# KiCad board storre.kicad_pcb
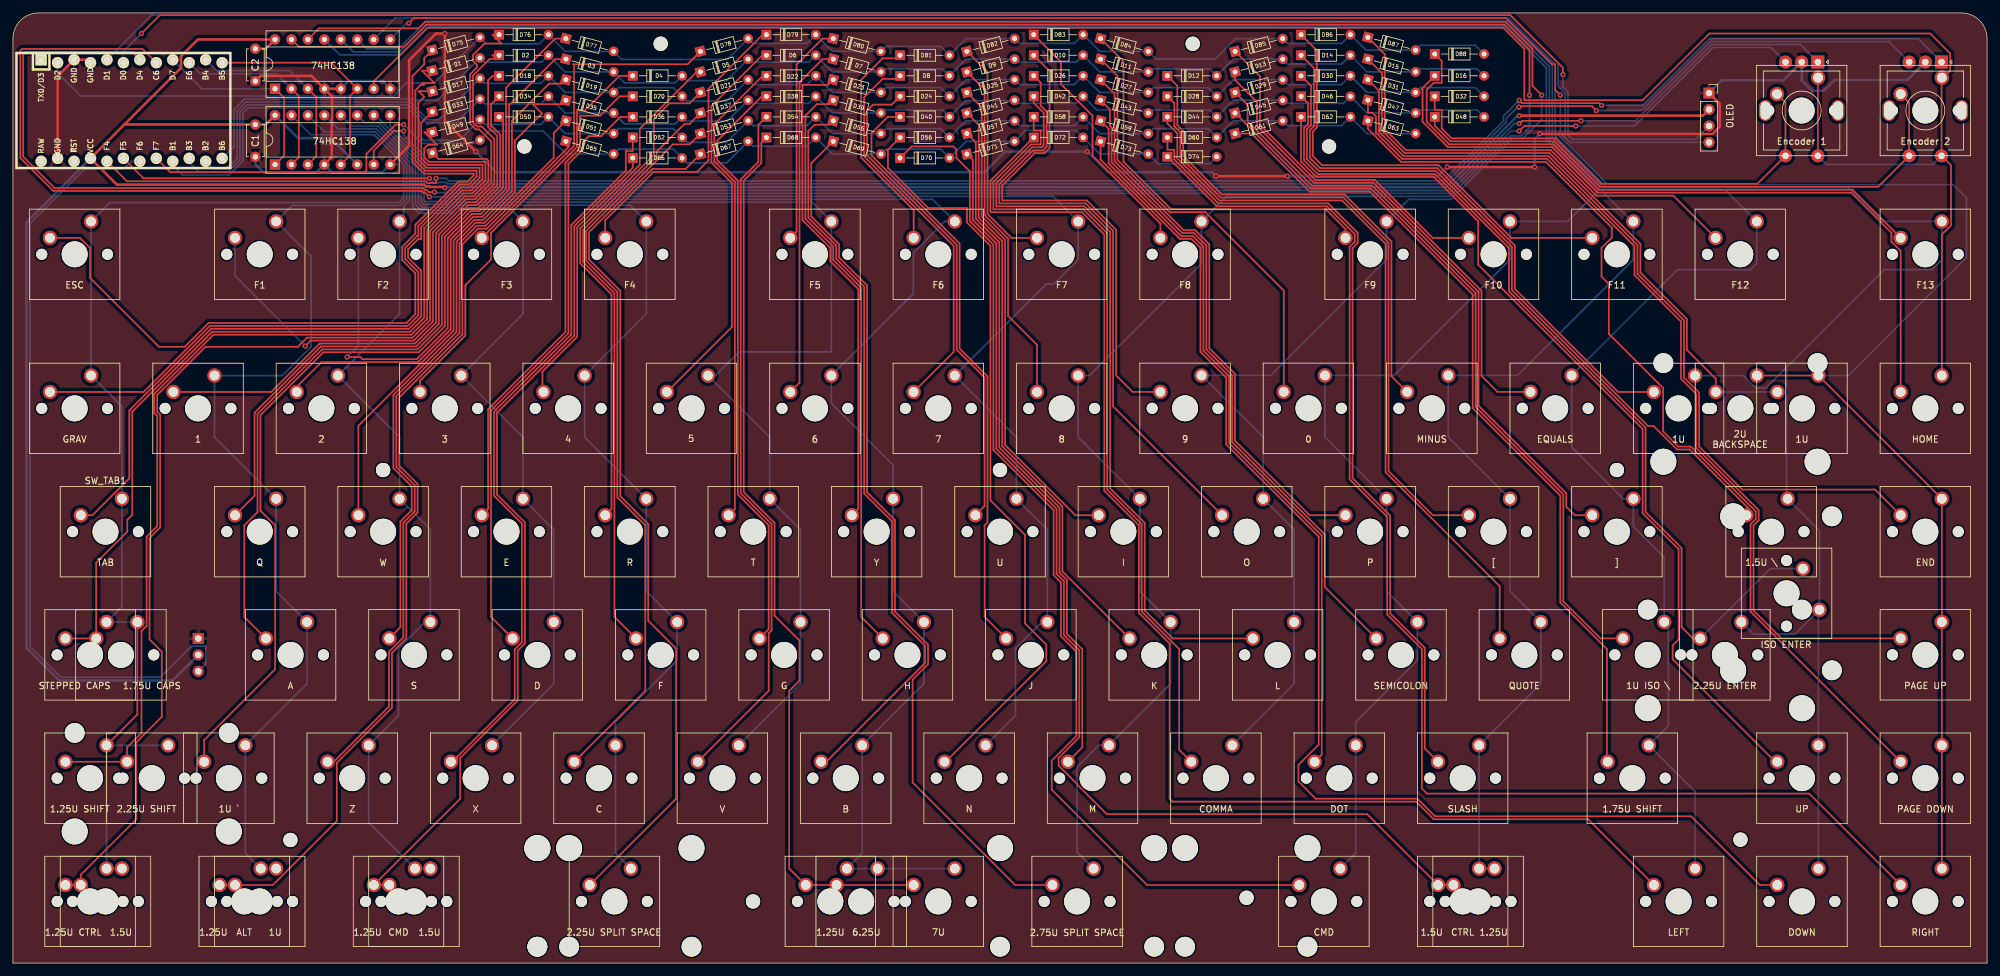
[diagram p0: board, top side]
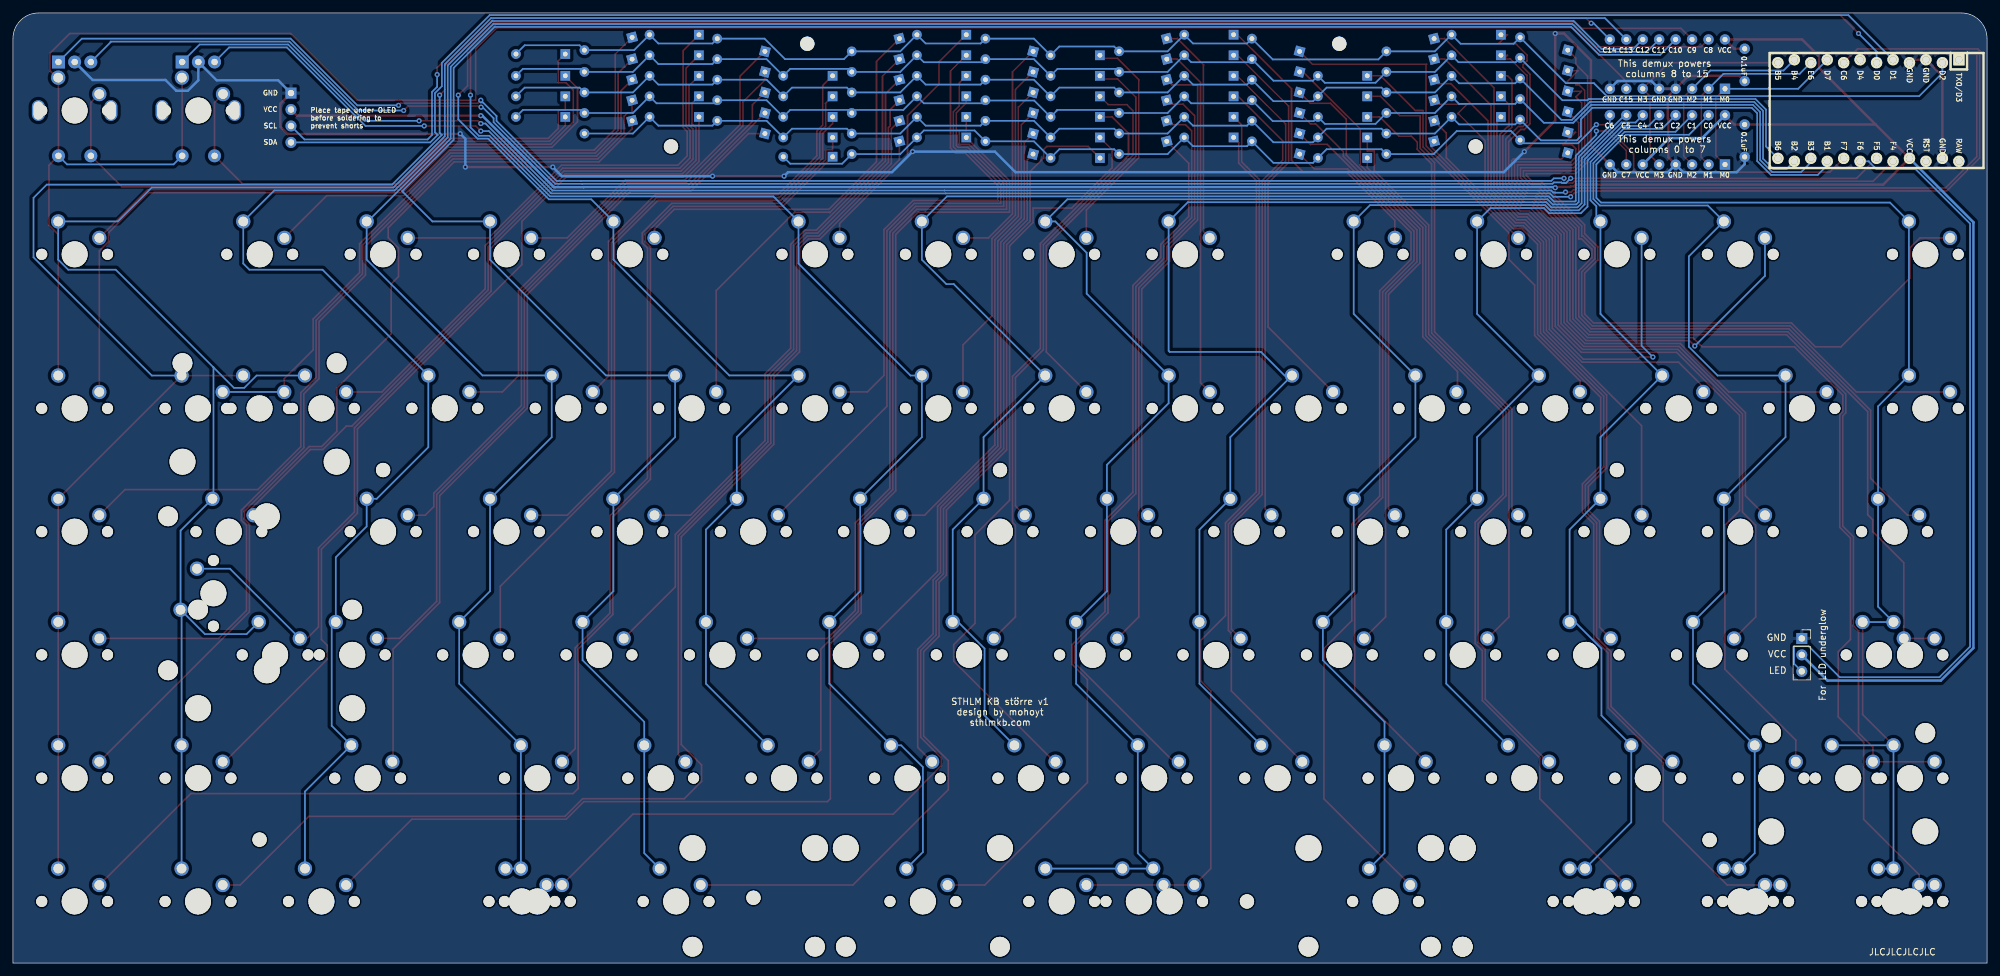
[diagram p1: board, bottom side, seen from below]

Outline 304.8 x 146.84 mm; copper layers: Top, Bottom. Coordinates in mm from the lower left corner of the outline.
Outline path: 0,142.88 0,0 304.8,0 304.8,142.88 arc(303.64,145.68) 300.83,146.84 3.99,146.84 arc(1.17,145.69) 0,142.88
Stack: Top 0.035mm / dielectric 1.51mm FR4 er 4.5 / Bottom 0.035mm

## Placement (name value [footprint] x y rotation side)
C1  0.1uF  [C_Disc_D4.7mm_W2.5mm_P5.00mm]  37.42 129.6 270 top
C2  0.1uF  [C_Disc_D4.7mm_W2.5mm_P5.00mm]  37.42 141.31 270 top
D1  D_Small  [D_DO-34_SOD68_P7.62mm_Horizontal]  64.74 137.92 15 top
D2  D_Small  [D_DO-34_SOD68_P7.62mm_Horizontal]  75.06 140.3 0 top
D3  D_Small  [D_DO-34_SOD68_P7.62mm_Horizontal]  85.38 139.7 345 top
D4  D_Small  [D_DO-34_SOD68_P7.62mm_Horizontal]  95.7 137.13 0 top
D5  D_Small  [D_DO-34_SOD68_P7.62mm_Horizontal]  106.15 137.73 15 top
D6  D_Small  [D_DO-34_SOD68_P7.62mm_Horizontal]  116.33 140.3 0 top
D7  D_Small  [D_DO-34_SOD68_P7.62mm_Horizontal]  126.65 139.7 345 top
D8  D_Small  [D_DO-34_SOD68_P7.62mm_Horizontal]  136.97 137.13 0 top
D9  D_Small  [D_DO-34_SOD68_P7.62mm_Horizontal]  147.29 137.73 15 top
D10  D_Small  [D_DO-34_SOD68_P7.62mm_Horizontal]  157.61 140.3 0 top
D11  D_Small  [D_DO-34_SOD68_P7.62mm_Horizontal]  167.93 139.7 345 top
D12  D_Small  [D_DO-34_SOD68_P7.62mm_Horizontal]  178.25 137.13 0 top
D13  D_Small  [D_DO-34_SOD68_P7.62mm_Horizontal]  188.7 137.73 15 top
D14  D_Small  [D_DO-34_SOD68_P7.62mm_Horizontal]  198.88 140.3 0 top
D15  D_Small  [D_DO-34_SOD68_P7.62mm_Horizontal]  209.2 139.7 345 top
D16  D_Small  [D_DO-34_SOD68_P7.62mm_Horizontal]  219.52 137.13 0 top
D17  D_Small  [D_DO-34_SOD68_P7.62mm_Horizontal]  64.74 134.75 15 top
D18  D_Small  [D_DO-34_SOD68_P7.62mm_Horizontal]  75.06 137.13 0 top
D19  D_Small  [D_DO-34_SOD68_P7.62mm_Horizontal]  85.38 136.53 345 top
D20  D_Small  [D_DO-34_SOD68_P7.62mm_Horizontal]  95.7 133.95 0 top
D21  D_Small  [D_DO-34_SOD68_P7.62mm_Horizontal]  106.15 134.55 15 top
D22  D_Small  [D_DO-34_SOD68_P7.62mm_Horizontal]  116.33 137.13 0 top
D23  D_Small  [D_DO-34_SOD68_P7.62mm_Horizontal]  126.65 136.53 345 top
D24  D_Small  [D_DO-34_SOD68_P7.62mm_Horizontal]  136.97 133.95 0 top
D25  D_Small  [D_DO-34_SOD68_P7.62mm_Horizontal]  147.29 134.55 15 top
D26  D_Small  [D_DO-34_SOD68_P7.62mm_Horizontal]  157.61 137.13 0 top
D27  D_Small  [D_DO-34_SOD68_P7.62mm_Horizontal]  167.93 136.53 345 top
D28  D_Small  [D_DO-34_SOD68_P7.62mm_Horizontal]  178.25 133.95 0 top
D29  D_Small  [D_DO-34_SOD68_P7.62mm_Horizontal]  188.7 134.55 15 top
D30  D_Small  [D_DO-34_SOD68_P7.62mm_Horizontal]  198.88 137.13 0 top
D31  D_Small  [D_DO-34_SOD68_P7.62mm_Horizontal]  209.2 136.53 345 top
D32  D_Small  [D_DO-34_SOD68_P7.62mm_Horizontal]  219.52 133.95 0 top
D33  D_Small  [D_DO-34_SOD68_P7.62mm_Horizontal]  64.74 131.57 15 top
D34  D_Small  [D_DO-34_SOD68_P7.62mm_Horizontal]  75.06 133.95 0 top
D35  D_Small  [D_DO-34_SOD68_P7.62mm_Horizontal]  85.38 133.35 345 top
D36  D_Small  [D_DO-34_SOD68_P7.62mm_Horizontal]  95.7 130.78 0 top
D37  D_Small  [D_DO-34_SOD68_P7.62mm_Horizontal]  106.15 131.38 15 top
D38  D_Small  [D_DO-34_SOD68_P7.62mm_Horizontal]  116.33 133.95 0 top
D39  D_Small  [D_DO-34_SOD68_P7.62mm_Horizontal]  126.65 133.35 345 top
D40  D_Small  [D_DO-34_SOD68_P7.62mm_Horizontal]  136.97 130.78 0 top
D41  D_Small  [D_DO-34_SOD68_P7.62mm_Horizontal]  147.29 131.38 15 top
D42  D_Small  [D_DO-34_SOD68_P7.62mm_Horizontal]  157.61 133.95 0 top
D43  D_Small  [D_DO-34_SOD68_P7.62mm_Horizontal]  167.93 133.35 345 top
D44  D_Small  [D_DO-34_SOD68_P7.62mm_Horizontal]  178.25 130.78 0 top
D45  D_Small  [D_DO-34_SOD68_P7.62mm_Horizontal]  188.7 131.38 15 top
D46  D_Small  [D_DO-34_SOD68_P7.62mm_Horizontal]  198.88 133.95 0 top
D47  D_Small  [D_DO-34_SOD68_P7.62mm_Horizontal]  209.2 133.35 345 top
D48  D_Small  [D_DO-34_SOD68_P7.62mm_Horizontal]  219.52 130.78 0 top
D49  D_Small  [D_DO-34_SOD68_P7.62mm_Horizontal]  64.74 128.4 15 top
D50  D_Small  [D_DO-34_SOD68_P7.62mm_Horizontal]  75.06 130.78 0 top
D51  D_Small  [D_DO-34_SOD68_P7.62mm_Horizontal]  85.38 130.18 345 top
D52  D_Small  [D_DO-34_SOD68_P7.62mm_Horizontal]  95.7 127.6 0 top
D53  D_Small  [D_DO-34_SOD68_P7.62mm_Horizontal]  106.15 128.2 15 top
D54  D_Small  [D_DO-34_SOD68_P7.62mm_Horizontal]  116.33 130.78 0 top
D55  D_Small  [D_DO-34_SOD68_P7.62mm_Horizontal]  126.65 130.18 345 top
D56  D_Small  [D_DO-34_SOD68_P7.62mm_Horizontal]  136.97 127.6 0 top
D57  D_Small  [D_DO-34_SOD68_P7.62mm_Horizontal]  147.29 128.2 15 top
D58  D_Small  [D_DO-34_SOD68_P7.62mm_Horizontal]  157.61 130.78 0 top
D59  D_Small  [D_DO-34_SOD68_P7.62mm_Horizontal]  167.93 130.18 345 top
D60  D_Small  [D_DO-34_SOD68_P7.62mm_Horizontal]  178.25 127.6 0 top
D61  D_Small  [D_DO-34_SOD68_P7.62mm_Horizontal]  188.7 128.2 15 top
D62  D_Small  [D_DO-34_SOD68_P7.62mm_Horizontal]  198.88 130.78 0 top
D63  D_Small  [D_DO-34_SOD68_P7.62mm_Horizontal]  209.2 130.18 345 top
D64  D_Small  [D_DO-34_SOD68_P7.62mm_Horizontal]  64.74 125.22 15 top
D65  D_Small  [D_DO-34_SOD68_P7.62mm_Horizontal]  85.38 127 345 top
D66  D_Small  [D_DO-34_SOD68_P7.62mm_Horizontal]  95.7 124.43 0 top
D67  D_Small  [D_DO-34_SOD68_P7.62mm_Horizontal]  106.15 125.03 15 top
D68  D_Small  [D_DO-34_SOD68_P7.62mm_Horizontal]  116.33 127.6 0 top
D69  D_Small  [D_DO-34_SOD68_P7.62mm_Horizontal]  126.65 127 345 top
D70  D_Small  [D_DO-34_SOD68_P7.62mm_Horizontal]  136.97 124.43 0 top
D71  D_Small  [D_DO-34_SOD68_P7.62mm_Horizontal]  147.29 125.03 15 top
D72  D_Small  [D_DO-34_SOD68_P7.62mm_Horizontal]  157.61 127.6 0 top
D73  D_Small  [D_DO-34_SOD68_P7.62mm_Horizontal]  167.93 127 345 top
D74  D_Small  [D_DO-34_SOD68_P7.62mm_Horizontal]  178.25 124.62 0 top
D75  D_Small  [D_DO-34_SOD68_P7.62mm_Horizontal]  64.74 141.1 15 top
D76  D_Small  [D_DO-34_SOD68_P7.62mm_Horizontal]  75.06 143.48 0 top
D77  D_Small  [D_DO-34_SOD68_P7.62mm_Horizontal]  85.38 142.88 345 top
D78  D_Small  [D_DO-34_SOD68_P7.62mm_Horizontal]  106.15 140.9 15 top
D79  D_Small  [D_DO-34_SOD68_P7.62mm_Horizontal]  116.33 143.48 0 top
D80  D_Small  [D_DO-34_SOD68_P7.62mm_Horizontal]  126.65 142.88 345 top
D81  D_Small  [D_DO-34_SOD68_P7.62mm_Horizontal]  136.97 140.3 0 top
D82  D_Small  [D_DO-34_SOD68_P7.62mm_Horizontal]  147.29 140.9 15 top
D83  D_Small  [D_DO-34_SOD68_P7.62mm_Horizontal]  157.61 143.48 0 top
D84  D_Small  [D_DO-34_SOD68_P7.62mm_Horizontal]  167.93 142.88 345 top
D85  D_Small  [D_DO-34_SOD68_P7.62mm_Horizontal]  188.7 140.9 15 top
D86  D_Small  [D_DO-34_SOD68_P7.62mm_Horizontal]  198.88 143.48 0 top
D87  D_Small  [D_DO-34_SOD68_P7.62mm_Horizontal]  209.2 143.07 345 top
D88  D_Small  [D_DO-34_SOD68_P7.62mm_Horizontal]  219.52 140.49 0 top
H1  -  [MountingHole_2.2mm_M2]  78.97 126.21 0 top
H2  -  [MountingHole_2.2mm_M2]  100.01 142.08 0 top
H3  -  [MountingHole_2.2mm_M2]  182.16 142.08 0 top
H4  -  [MountingHole_2.2mm_M2]  203.2 126.21 0 top
H5  -  [MountingHole_2.2mm_M2]  57.15 76.2 0 top
H6  -  [MountingHole_2.2mm_M2]  152.4 76.2 0 top
H7  -  [MountingHole_2.2mm_M2]  247.65 76.2 0 top
H8  -  [MountingHole_2.2mm_M2]  42.84 19.02 0 top
H9  -  [MountingHole_2.2mm_M2]  114.27 9.53 0 top
H10  -  [MountingHole_2.2mm_M2]  190.47 10.09 0 top
H11  -  [MountingHole_2.2mm_M2]  266.73 19.07 0 top
J1  Conn_01x04  [PinSocket_1x04_P2.54mm_Vertical]  261.88 134.45 0 top
J2  Conn_01x03  [PinSocket_1x03_P2.54mm_Vertical]  28.61 50.16 180 bottom
SW83  RotaryEncoder_Switch  [RotaryEncoder_EC11]  276.18 131.76 270 top
SW84  RotaryEncoder_Switch  [RotaryEncoder_EC11]  295.27 131.76 270 top
SW_0  KEYSW  [SW_Cherry_MX_1.00u_PCB]  202.56 90.82 0 top
SW_1  KEYSW  [SW_Cherry_MX_1.00u_PCB]  31.11 90.81 0 top
SW_2  KEYSW  [SW_Cherry_MX_1.00u_PCB]  50.17 90.81 0 top
SW_3  KEYSW  [SW_Cherry_MX_1.00u_PCB]  69.22 90.81 0 top
SW_4  KEYSW  [SW_Cherry_MX_1.00u_PCB]  88.26 90.81 0 top
SW_5  KEYSW  [SW_Cherry_MX_1.00u_PCB]  107.31 90.81 0 top
SW_6  KEYSW  [SW_Cherry_MX_1.00u_PCB]  126.37 90.81 0 top
SW_6.25U_SPACE1  KEYSW  [SW_Cherry_MX_6.25u_PCB]  130.97 10.03 0 top
SW_7  KEYSW  [SW_Cherry_MX_1.00u_PCB]  145.41 90.81 0 top
SW_7U_SPACE1  KEYSW  [SW_Cherry_MX_7u_PCB]  142.88 10.03 0 top
SW_8  KEYSW  [SW_Cherry_MX_1.00u_PCB]  164.47 90.81 0 top
SW_9  KEYSW  [SW_Cherry_MX_1.00u_PCB]  183.51 90.82 0 top
SW_/1  KEYSW  [SW_Cherry_MX_1.00u_PCB]  226.38 33.66 0 top
SW_A1  KEYSW  [SW_Cherry_MX_1.00u_PCB]  45.4 52.71 0 top
SW_ANSI_\1  KEYSW  [SW_Cherry_MX_1.50u_PCB]  274 71.75 0 top
SW_ANSI_ENT1  KEYSW  [SW_Cherry_MX_2.25u_PCB#2]  266.86 52.71 0 top
SW_B1  KEYSW  [SW_Cherry_MX_1.00u_PCB]  131.13 33.66 0 top
SW_BCKSP1  KEYSW  [SW_Cherry_MX_2.00u_PCB]  269.26 90.81 0 top
SW_BCKSP_1U1  KEYSW  [SW_Cherry_MX_1.00u_PCB]  259.71 90.81 0 top
SW_C1  KEYSW  [SW_Cherry_MX_1.00u_PCB]  93.03 33.66 0 top
SW_CAPS1  KEYSW  [SW_Cherry_MX_1.75u_PCB]  19.21 52.71 0 top
SW_COMMA1  KEYSW  [SW_Cherry_MX_1.00u_PCB]  188.28 33.66 0 top
SW_D1  KEYSW  [SW_Cherry_MX_1.00u_PCB]  83.5 52.71 0 top
SW_DEL1  KEYSW  [SW_Cherry_MX_1.00u_PCB]  278.76 90.81 0 top
SW_DOT1  KEYSW  [SW_Cherry_MX_1.00u_PCB]  207.33 33.66 0 top
SW_DOWN1  KEYSW  [SW_Cherry_MX_1.00u_PCB]  278.76 14.6 0 top
SW_E1  KEYSW  [SW_Cherry_MX_1.00u_PCB]  78.74 71.75 0 top
SW_ENC1  KEYSW  [SW_Cherry_MX_1.00u_PCB]  278.71 136.84 0 top
SW_ENC2  KEYSW  [SW_Cherry_MX_1.00u_PCB]  297.81 136.84 0 top
SW_END1  KEYSW  [SW_Cherry_MX_1.00u_PCB]  297.81 71.75 0 top
SW_EQUAL1  KEYSW  [SW_Cherry_MX_1.00u_PCB]  240.67 90.82 0 top
SW_ESC1  KEYSW  [SW_Cherry_MX_1.00u_PCB]  12.06 114.62 0 top
SW_F1  KEYSW  [SW_Cherry_MX_1.00u_PCB]  102.55 52.71 0 top
SW_FUNC1  KEYSW  [SW_Cherry_MX_1.00u_PCB]  40.64 114.62 0 top
SW_FUNC2  KEYSW  [SW_Cherry_MX_1.00u_PCB]  59.69 114.62 0 top
SW_FUNC3  KEYSW  [SW_Cherry_MX_1.00u_PCB]  78.74 114.62 0 top
SW_FUNC4  KEYSW  [SW_Cherry_MX_1.00u_PCB]  97.79 114.62 0 top
SW_FUNC5  KEYSW  [SW_Cherry_MX_1.00u_PCB]  126.37 114.62 0 top
SW_FUNC6  KEYSW  [SW_Cherry_MX_1.00u_PCB]  145.41 114.62 0 top
SW_FUNC7  KEYSW  [SW_Cherry_MX_1.00u_PCB]  164.47 114.62 0 top
SW_FUNC8  KEYSW  [SW_Cherry_MX_1.00u_PCB]  183.51 114.62 0 top
SW_FUNC9  KEYSW  [SW_Cherry_MX_1.00u_PCB]  212.09 114.62 0 top
SW_FUNC10  KEYSW  [SW_Cherry_MX_1.00u_PCB]  231.14 114.62 0 top
SW_FUNC11  KEYSW  [SW_Cherry_MX_1.00u_PCB]  250.19 114.62 0 top
SW_FUNC12  KEYSW  [SW_Cherry_MX_1.00u_PCB]  269.24 114.62 0 top
SW_FUNC13  KEYSW  [SW_Cherry_MX_1.00u_PCB]  297.81 114.62 0 top
SW_G1  KEYSW  [SW_Cherry_MX_1.00u_PCB]  121.6 52.71 0 top
SW_GRAV1  KEYSW  [SW_Cherry_MX_1.00u_PCB]  12.06 90.81 0 top
SW_H1  KEYSW  [SW_Cherry_MX_1.00u_PCB]  140.65 52.71 0 top
SW_HOME1  KEYSW  [SW_Cherry_MX_1.00u_PCB]  297.81 90.81 0 top
SW_I1  KEYSW  [SW_Cherry_MX_1.00u_PCB]  173.99 71.75 0 top
SW_ISO_\1  KEYSW  [SW_Cherry_MX_1.00u_PCB]  254.95 52.72 0 top
SW_ISO_`1  KEYSW  [SW_Cherry_MX_1.00u_PCB]  35.88 33.66 0 top
SW_ISO_ENT1  KEYSW  [SW_Cherry_MX_ISOEnter_PCB_Flipped_Rotated]  273.84 57.14 0 top
SW_ISO_LSHF1  KEYSW  [SW_Cherry_MX_1.25u_PCB]  14.45 33.66 0 top
SW_J1  KEYSW  [SW_Cherry_MX_1.00u_PCB]  159.7 52.72 0 top
SW_K1  KEYSW  [SW_Cherry_MX_1.00u_PCB]  178.75 52.71 0 top
SW_L1  KEYSW  [SW_Cherry_MX_1.00u_PCB]  197.8 52.71 0 top
SW_LALT_1.25U1  KEYSW  [SW_Cherry_MX_1.25u_PCB]  38.26 14.6 0 top
SW_LALT_1U1  KEYSW  [SW_Cherry_MX_1.00u_PCB]  40.64 14.6 0 top
SW_LCMD_1.25U1  KEYSW  [SW_Cherry_MX_1.25u_PCB]  62.07 14.6 0 top
SW_LCOM_1.5U1  KEYSW  [SW_Cherry_MX_1.50u_PCB]  64.45 14.6 0 top
SW_LCTRL_1.5U1  KEYSW  [SW_Cherry_MX_1.50u_PCB]  16.83 14.6 0 top
SW_LCTRL_1.25U1  KEYSW  [SW_Cherry_MX_1.25u_PCB]  14.45 14.6 0 top
SW_LEFT1  KEYSW  [SW_Cherry_MX_1.00u_PCB]  259.71 14.6 0 top
SW_LSHF1  KEYSW  [SW_Cherry_MX_2.25u_PCB#2]  23.97 33.66 0 top
SW_LSQBR1  KEYSW  [SW_Cherry_MX_1.00u_PCB]  231.14 71.75 0 top
SW_M1  KEYSW  [SW_Cherry_MX_1.00u_PCB]  169.23 33.66 0 top
SW_MINUS1  KEYSW  [SW_Cherry_MX_1.00u_PCB]  221.62 90.82 0 top
SW_N1  KEYSW  [SW_Cherry_MX_1.00u_PCB]  150.18 33.66 0 top
SW_O1  KEYSW  [SW_Cherry_MX_1.00u_PCB]  193.04 71.75 0 top
SW_P1  KEYSW  [SW_Cherry_MX_1.00u_PCB]  212.09 71.75 0 top
SW_PGDN1  KEYSW  [SW_Cherry_MX_1.00u_PCB]  297.81 33.66 0 top
SW_PGUP1  KEYSW  [SW_Cherry_MX_1.00u_PCB]  297.81 52.72 0 top
SW_Q1  KEYSW  [SW_Cherry_MX_1.00u_PCB]  40.64 71.75 0 top
SW_QUOTE1  KEYSW  [SW_Cherry_MX_1.00u_PCB]  235.9 52.71 0 top
SW_R1  KEYSW  [SW_Cherry_MX_1.00u_PCB]  97.79 71.75 0 top
SW_R_CMD1  KEYSW  [SW_Cherry_MX_1.25u_PCB]  204.95 14.6 0 top
SW_R_CTRL_1.5U1  KEYSW  [SW_Cherry_MX_1.50u_PCB]  226.38 14.6 0 top
SW_R_CTRL_1.25U1  KEYSW  [SW_Cherry_MX_1.25u_PCB]  228.76 14.6 0 top
SW_RIGHT1  KEYSW  [SW_Cherry_MX_1.00u_PCB]  297.81 14.6 0 top
SW_RSHIFT1  KEYSW  [SW_Cherry_MX_1.75u_PCB]  252.57 33.66 0 top
SW_RSQBR1  KEYSW  [SW_Cherry_MX_1.00u_PCB]  250.19 71.75 0 top
SW_S1  KEYSW  [SW_Cherry_MX_1.00u_PCB]  64.45 52.72 0 top
SW_SEMICOLON1  KEYSW  [SW_Cherry_MX_1.00u_PCB]  216.85 52.71 0 top
SW_SPL_SPACE_L1  KEYSW  [SW_Cherry_MX_2.25u_PCB]  95.41 15.11 0 top
SW_SPL_SPACE_M1  KEYSW  [SW_Cherry_MX_1.25u_PCB]  128.75 14.6 0 top
SW_SPL_SPACE_R1  KEYSW  [SW_Cherry_MX_2.75u_PCB]  164.31 10.03 0 top
SW_STEP_CAPS1  KEYSW  [SW_Cherry_MX_1.25u_PCB]  14.45 52.71 0 top
SW_T1  KEYSW  [SW_Cherry_MX_1.00u_PCB]  116.84 71.75 0 top
SW_TAB1  KEYSW  [SW_Cherry_MX_1.50u_PCB]  16.83 71.75 0 top
SW_U1  KEYSW  [SW_Cherry_MX_1.00u_PCB]  154.94 71.75 0 top
SW_UP1  KEYSW  [SW_Cherry_MX_1.00u_PCB]  278.76 33.66 0 top
SW_V1  KEYSW  [SW_Cherry_MX_1.00u_PCB]  112.08 33.66 0 top
SW_W1  KEYSW  [SW_Cherry_MX_1.00u_PCB]  59.69 71.75 0 top
SW_X1  KEYSW  [SW_Cherry_MX_1.00u_PCB]  73.98 33.66 0 top
SW_Y1  KEYSW  [SW_Cherry_MX_1.00u_PCB]  135.89 71.75 0 top
SW_Z1  KEYSW  [SW_Cherry_MX_1.00u_PCB]  54.93 33.66 0 top
U1  ProMicro  [ArduinoProMicro-ZigZag]  18.33 131.76 0 bottom
U2  74HC138  [DIP-16_W7.62mm_Socket]  40.46 123.41 90 top
U3  74HC138  [DIP-16_W7.62mm_Socket]  40.46 135.12 90 top

## Library data of the parts
C1 C2 = -: Description: Unpolarized capacitor
D1-D82 D84-D88 = -: Description: Diode, small symbol
D83 = -: Description: Diode, small symbol; Field4: K; Field5: K
J1 = -: Description: Generic connector, single row, 01x04, script generated (kicad-library-utils/schlib/autogen/connector/)
J2 = -: Description: Generic connector, single row, 01x03, script generated (kicad-library-utils/schlib/autogen/connector/)
SW83 SW84 = -: Description: Rotary encoder, dual channel, incremental quadrate outputs, with switch
U2 U3 = -: Description: 3-to-8 line inverting decoder/demultiplexer

## Footprints (pads in the part's own frame, mm; a bottom-side part is the same pattern mirrored in y, then rotated)
ArduinoProMicro-ZigZag
  rect 1.753x1.753 hole 1.092: 1(-13.97,-7.849)
  round 1.753 hole 1.092: 2(-11.43,-7.391) 3(-8.89,-7.849) 4(-6.35,-7.391) 5(-3.81,-7.849) 6(-1.27,-7.391) 7(1.27,-7.849) 8(3.81,-7.391) 9(6.35,-7.849) 10(8.89,-7.391) 11(11.43,-7.849) 12(13.97,-7.391) 13(13.97,7.391) 14(11.43,7.849) 15(8.89,7.391) 16(6.35,7.849) 17(3.81,7.391) 18(1.27,7.849) 19(-1.27,7.391) 20(-3.81,7.849) 21(-6.35,7.391) 22(-8.89,7.849) 23(-11.43,7.391) 24(-13.97,7.849)
C_Disc_D4.7mm_W2.5mm_P5.00mm
  round 1.6 hole 0.8: 1(0,0) 2(5,0)
D_DO-34_SOD68_P7.62mm_Horizontal
  rect 1.5x1.5 hole 0.75: 1(0,0)
  oval 1.5x1.5 hole 0.75: 2(7.62,0)
DIP-16_W7.62mm_Socket
  rect 1.6x1.6 hole 0.8: 1(0,0)
  oval 1.6x1.6 hole 0.8: 2(0,-2.54) 3(0,-5.08) 4(0,-7.62) 5(0,-10.16) 6(0,-12.7) 7(0,-15.24) 8(0,-17.78) 9(7.62,-17.78) 10(7.62,-15.24) 11(7.62,-12.7) 12(7.62,-10.16) 13(7.62,-7.62) 14(7.62,-5.08) 15(7.62,-2.54) 16(7.62,0)
MountingHole_2.2mm_M2
  round 2.2 hole 2.2 unplated: (0,0)
PinSocket_1x03_P2.54mm_Vertical
  rect 1.7x1.7 hole 1: 1(0,0)
  oval 1.7x1.7 hole 1: 2(0,-2.54) 3(0,-5.08)
PinSocket_1x04_P2.54mm_Vertical
  rect 1.7x1.7 hole 1: 1(0,0)
  oval 1.7x1.7 hole 1: 2(0,-2.54) 3(0,-5.08) 4(0,-7.62)
RotaryEncoder_EC11
  oval 3.2x2 hole 2.8x1.5 unplated: (0,5.6) (0,-5.6)
  rect 2x2 hole 1: A(-7.5,2.5)
  round 2 hole 1: B(-7.5,-2.5) C(-7.5,0) S1(7,-2.5) S2(7,2.5)
SW_Cherry_MX_1.00u_PCB
  round 1.7 hole 1.7 unplated: (-7.62,-5.08) (2.54,-5.08)
  round 4 hole 4 unplated: (-2.54,-5.08)
  round 2.2 hole 1.5: 1(0,0) 2(-6.35,-2.54)
SW_Cherry_MX_1.25u_PCB
  round 1.7 hole 1.7 unplated: (-7.62,-5.08) (2.54,-5.08)
  round 4 hole 4 unplated: (-2.54,-5.08)
  round 2.2 hole 1.5: 1(0,0) 2(-6.35,-2.54)
SW_Cherry_MX_1.50u_PCB
  round 1.7 hole 1.7 unplated: (-7.62,-5.08) (2.54,-5.08)
  round 4 hole 4 unplated: (-2.54,-5.08)
  round 2.2 hole 1.5: 1(0,0) 2(-6.35,-2.54)
SW_Cherry_MX_1.75u_PCB
  round 1.7 hole 1.7 unplated: (-7.62,-5.08) (2.54,-5.08)
  round 4 hole 4 unplated: (-2.54,-5.08)
  round 2.2 hole 1.5: 1(0,0) 2(-6.35,-2.54)
SW_Cherry_MX_2.00u_PCB
  round 3.05 hole 3.05 unplated: (-14.44,1.92) (9.36,1.92)
  round 4 hole 4 unplated: (-14.44,-13.32) (-2.54,-5.08) (9.36,-13.32)
  round 1.7 hole 1.7 unplated: (-7.62,-5.08) (2.54,-5.08)
  round 2.2 hole 1.5: 1(0,0) 2(-6.35,-2.54)
SW_Cherry_MX_2.25u_PCB
  round 4 hole 4 unplated: (-14.44,2.652) (-2.54,-5.588) (9.36,2.652)
  round 3.05 hole 3.05 unplated: (-14.44,-12.588) (9.36,-12.588)
  round 1.7 hole 1.7 unplated: (-7.62,-5.588) (2.54,-5.588)
  round 2.2 hole 1.5: 1(0,-0.508) 2(-6.35,-3.048)
SW_Cherry_MX_2.25u_PCB#2
  round 3.05 hole 3.05 unplated: (-14.44,1.92) (9.36,1.92)
  round 4 hole 4 unplated: (-14.44,-13.32) (-2.54,-5.08) (9.36,-13.32)
  round 1.7 hole 1.7 unplated: (-7.62,-5.08) (2.54,-5.08)
  round 2.2 hole 1.5: 1(0,0) 2(-6.35,-2.54)
SW_Cherry_MX_2.75u_PCB
  round 4 hole 4 unplated: (-11.9,7.732) (0,-0.508) (11.9,7.732)
  round 3.05 hole 3.05 unplated: (-11.9,-7.508) (11.9,-7.508)
  round 1.7 hole 1.7 unplated: (-5.08,-0.508) (5.08,-0.508)
  round 2.2 hole 1.5: 1(2.54,4.572) 2(-3.81,2.032)
SW_Cherry_MX_6.25u_PCB
  round 4 hole 4 unplated: (-50,7.732) (0,-0.508) (50,7.732)
  round 3.05 hole 3.05 unplated: (-50,-7.508) (50,-7.508)
  round 1.7 hole 1.7 unplated: (-5.08,-0.508) (5.08,-0.508)
  round 2.2 hole 1.5: 1(2.54,4.572) 2(-3.81,2.032)
SW_Cherry_MX_7u_PCB
  round 4 hole 4 unplated: (-57,7.732) (0,-0.508) (57,7.732)
  round 3.05 hole 3.05 unplated: (-57,-7.508) (57,-7.508)
  round 1.7 hole 1.7 unplated: (-5.08,-0.508) (5.08,-0.508)
  round 2.2 hole 1.5: 1(2.54,4.572) 2(-3.81,2.032)
SW_Cherry_MX_ISOEnter_PCB_Flipped_Rotated
  round 4 hole 4 unplated: (-8.24,11.9) (-8.24,-11.9) (0,0)
  round 1.7 hole 1.7 unplated: (0,5.08) (0,-5.08)
  round 3.05 hole 3.05 unplated: (7,11.9) (7,-11.9)
  round 2.2 hole 1.5: 1(5.08,-2.54) 2(2.54,3.81)

## Nets
GND: C1.2 C2.2 J1.1 J2.1 SW83.C SW84.C U1.3 U1.4 U1.23 U2.4 U2.8 U3.4 U3.5 U3.8
VCC: C1.1 C2.1 J1.2 J2.2 U1.21 U2.6 U2.16 U3.16
col0: SW_CAPS1.1 SW_ESC1.1 SW_GRAV1.1 SW_ISO_LSHF1.1 SW_LCTRL_1.5U1.1 SW_LCTRL_1.25U1.1 SW_LSHF1.1 SW_STEP_CAPS1.1 SW_TAB1.1 U2.15
col1: SW_1.1 SW_A1.1 SW_FUNC1.1 SW_ISO_`1.1 SW_LALT_1.25U1.1 SW_LALT_1U1.1 SW_Q1.1 U2.14
col2: SW_2.1 SW_FUNC2.1 SW_LCMD_1.25U1.1 SW_LCOM_1.5U1.1 SW_S1.1 SW_W1.1 SW_Z1.1 U2.13
col3: SW_3.1 SW_D1.1 SW_E1.1 SW_FUNC3.1 SW_X1.1 U2.12
col4: SW_4.1 SW_C1.1 SW_F1.1 SW_FUNC4.1 SW_R1.1 SW_SPL_SPACE_L1.1 U2.11
col5: SW_5.1 SW_FUNC5.1 SW_G1.1 SW_T1.1 SW_V1.1 U2.10
col6: SW_6.1 SW_6.25U_SPACE1.1 SW_7U_SPACE1.1 SW_B1.1 SW_FUNC6.1 SW_H1.1 SW_SPL_SPACE_M1.1 SW_Y1.1 U2.9
col7: SW_7.1 SW_FUNC7.1 SW_J1.1 SW_N1.1 SW_U1.1 U2.7
col8: SW_8.1 SW_FUNC8.1 SW_I1.1 SW_K1.1 SW_M1.1 SW_SPL_SPACE_R1.1 U3.15
col9: SW_9.1 SW_COMMA1.1 SW_FUNC9.1 SW_L1.1 SW_O1.1 U3.14
col10: SW_0.1 SW_DOT1.1 SW_FUNC10.1 SW_P1.1 SW_R_CMD1.1 SW_SEMICOLON1.1 U3.13
col11: SW_/1.1 SW_FUNC11.1 SW_LSQBR1.1 SW_MINUS1.1 SW_QUOTE1.1 SW_R_CTRL_1.5U1.1 SW_R_CTRL_1.25U1.1 U3.12
col12: SW_EQUAL1.1 SW_FUNC12.1 SW_ISO_\1.1 SW_LEFT1.1 SW_RSHIFT1.1 SW_RSQBR1.1 U3.11
col13: SW_ANSI_\1.1 SW_ANSI_ENT1.1 SW_BCKSP_1U1.1 SW_DOWN1.1 SW_FUNC13.1 SW_ISO_ENT1.1 SW_UP1.1 U3.10
col14: SW_BCKSP1.1 SW_DEL1.1 SW_END1.1 SW_PGDN1.1 SW_PGUP1.1 SW_RIGHT1.1 U3.9
encA: SW83.A U1.7
encB: SW83.B U1.8
encC: SW84.A U1.20
encD: SW84.B U1.19
LED: J2.3 U1.18
mux0: U1.9 U2.1 U3.1
mux1: U1.10 U2.2 U3.2
mux2: U1.11 U2.3 U3.3
mux3: U1.12 U2.5 U3.6
RotA: D32.1 SW83.S1 SW_ENC1.2
RotB: SW83.S2 SW84.S2 SW_ENC1.1 SW_ENC2.1 SW_HOME1.1 U3.7
RotC: D48.1 SW84.S1 SW_ENC2.2
row0: D75.2 D76.2 D77.2 D78.2 D79.2 D80.2 D81.2 D82.2 D83.2 D84.2 D85.2 D86.2 D87.2 D88.2 U1.2
row1: D1.2 D2.2 D3.2 D4.2 D5.2 D6.2 D7.2 D8.2 D9.2 D10.2 D11.2 D12.2 D13.2 D14.2 D15.2 D16.2 U1.13
row2: D17.2 D18.2 D19.2 D20.2 D21.2 D22.2 D23.2 D24.2 D25.2 D26.2 D27.2 D28.2 D29.2 D30.2 D31.2 D32.2 U1.14
row3: D33.2 D34.2 D35.2 D36.2 D37.2 D38.2 D39.2 D40.2 D41.2 D42.2 D43.2 D44.2 D45.2 D46.2 D47.2 D48.2 U1.15
row4: D49.2 D50.2 D51.2 D52.2 D53.2 D54.2 D55.2 D56.2 D57.2 D58.2 D59.2 D60.2 D61.2 D62.2 D63.2 U1.16
row5: D64.2 D65.2 D66.2 D67.2 D68.2 D69.2 D70.2 D71.2 D72.2 D73.2 D74.2 U1.17
SCL: J1.3 U1.6
SDA: J1.4 U1.5
Net-(D1-K): D1.1 SW_GRAV1.2
Net-(D2-K): D2.1 SW_1.2
Net-(D3-K): D3.1 SW_2.2
Net-(D4-K): D4.1 SW_3.2
Net-(D5-K): D5.1 SW_4.2
Net-(D6-K): D6.1 SW_5.2
Net-(D7-K): D7.1 SW_6.2
Net-(D8-K): D8.1 SW_7.2
Net-(D9-K): D9.1 SW_8.2
Net-(D10-K): D10.1 SW_9.2
Net-(D11-K): D11.1 SW_0.2
Net-(D12-K): D12.1 SW_MINUS1.2
Net-(D13-K): D13.1 SW_EQUAL1.2
Net-(D14-K): D14.1 SW_BCKSP_1U1.2
Net-(D15-K): D15.1 SW_BCKSP1.2 SW_DEL1.2
Net-(D16-K): D16.1 SW_HOME1.2
Net-(D17-K): D17.1 SW_TAB1.2
Net-(D18-K): D18.1 SW_Q1.2
Net-(D19-K): D19.1 SW_W1.2
Net-(D20-K): D20.1 SW_E1.2
Net-(D21-K): D21.1 SW_R1.2
Net-(D22-K): D22.1 SW_T1.2
Net-(D23-K): D23.1 SW_Y1.2
Net-(D24-K): D24.1 SW_U1.2
Net-(D25-K): D25.1 SW_I1.2
Net-(D26-K): D26.1 SW_O1.2
Net-(D27-K): D27.1 SW_P1.2
Net-(D28-K): D28.1 SW_LSQBR1.2
Net-(D29-K): D29.1 SW_RSQBR1.2
Net-(D30-K): D30.1 SW_ANSI_\1.2